# KiCad board panel.kicad_pcb (continued)
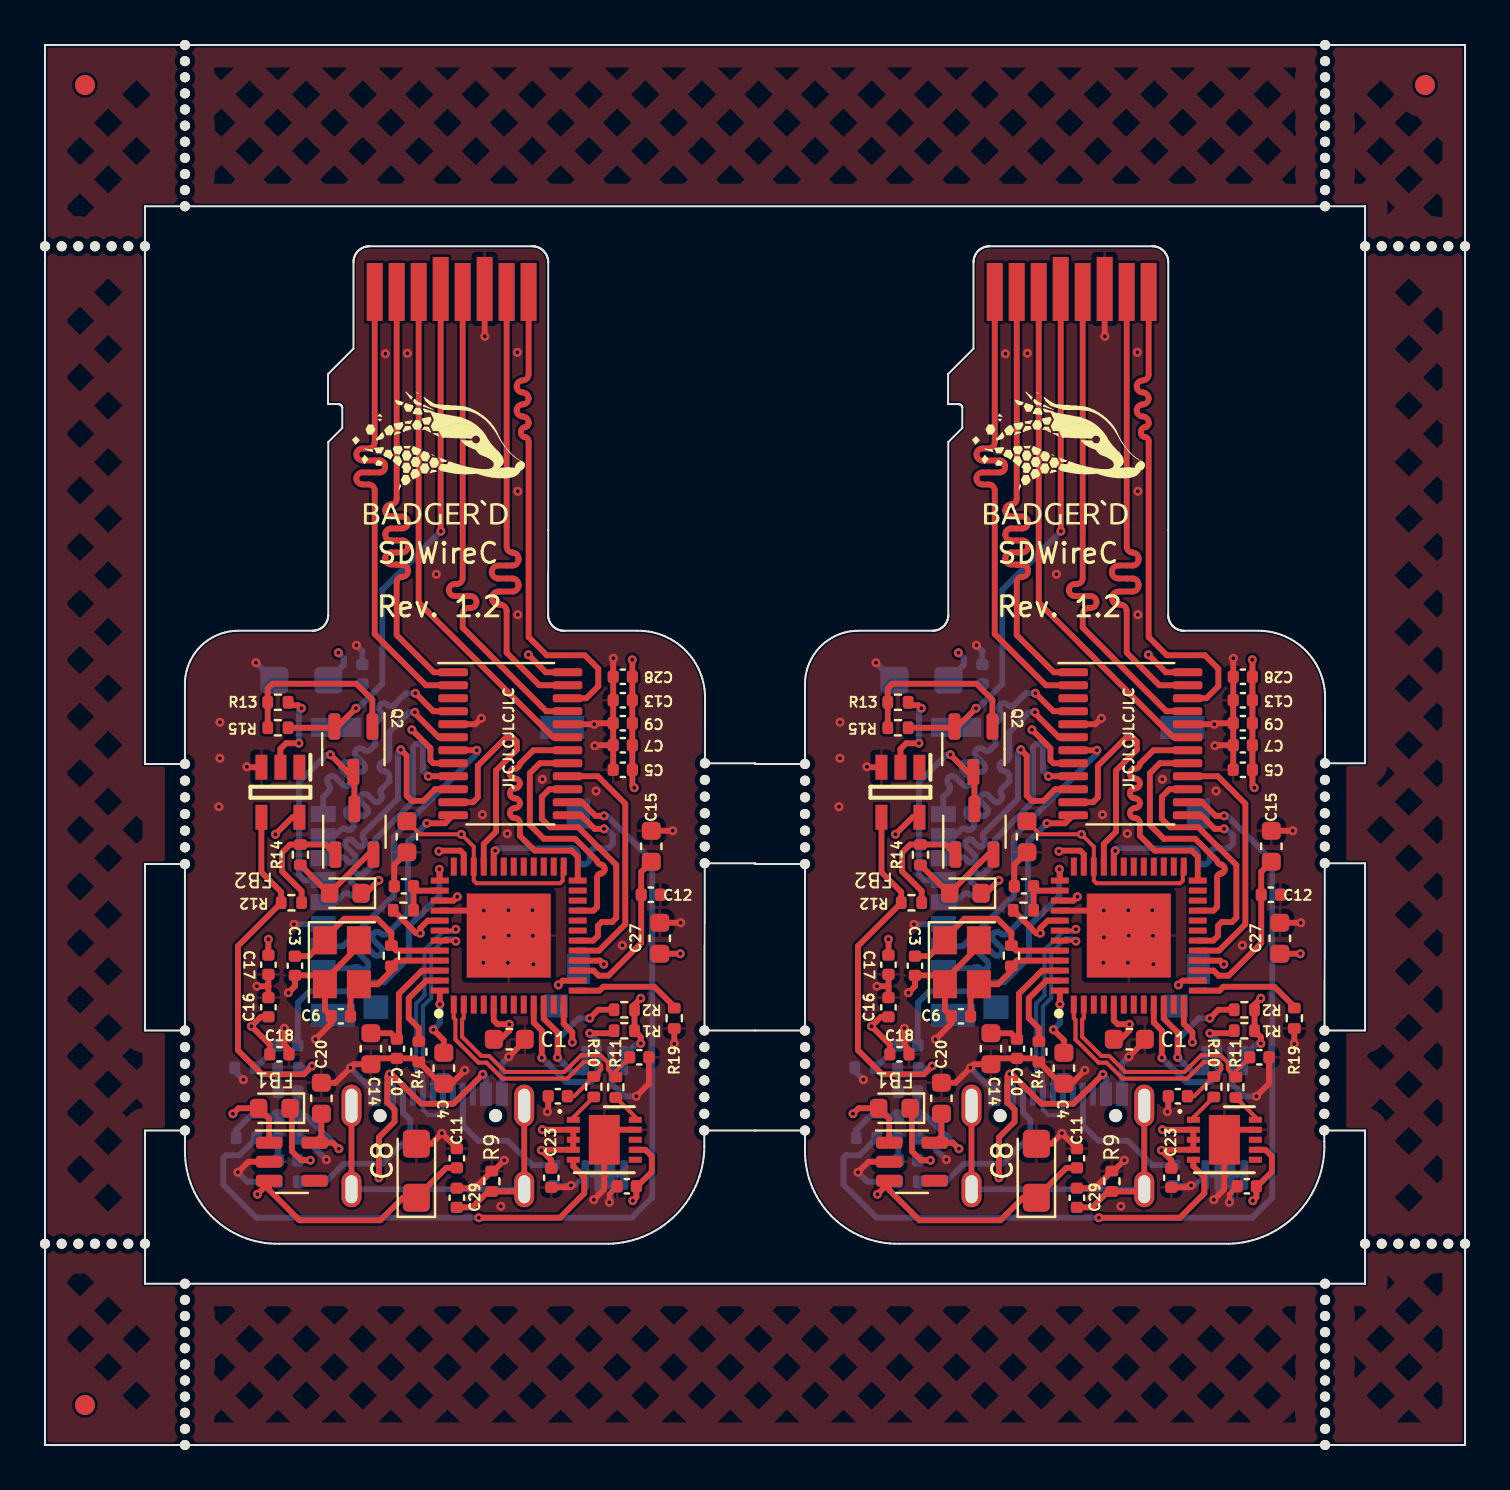
[diagram p0: board, top side]
## Routing (per net, layer and track width the routed paths; a pad name or vN(x,y) marks a point on that pad's centre or on a via; arc(x,y) is an arc through that point) (continued)
Net-(J3-Pad3): length 29.4
  Top w0.293: v1(17.8,34.76) 18.09,34.47 18.09,32.47 18.35,32.21 18.93,32.21 19.51,32.79 U3#2.10 ; v1(48.81,34.76) 49.1,34.47 49.1,32.47 49.36,32.21 49.94,32.21 50.52,32.79 U3.10
  Bottom w0.293: v1(17.8,34.76) 17.65,34.62 17.65,34.6 17.65,34.32 17.65,32.31 15.94,30.6 arc(15.88,30.45) 15.94,30.3 arc(16.01,30.15) 15.94,30 15.93,29.98 arc(15.78,29.92) 15.63,29.98 15.36,30.25 arc(15.25,30.3) 15.13,30.25 15.04,30.16 arc(14.99,30.04) 15.04,29.93 15.48,29.5 arc(15.54,29.34) 15.48,29.18 arc(15.32,29.11) 15.16,29.18 15,29.34 arc(14.84,29.4) 14.68,29.34 J3#2.3 ; v1(48.81,34.76) 48.67,34.62 48.67,34.6 48.66,34.32 48.66,32.31 46.96,30.6 arc(46.9,30.45) 46.96,30.3 arc(47.02,30.15) 46.96,30 46.94,29.98 arc(46.79,29.92) 46.64,29.98 46.37,30.25 arc(46.26,30.3) 46.14,30.25 46.06,30.16 arc(46.01,30.04) 46.06,29.93 46.49,29.5 arc(46.56,29.34) 46.49,29.18 arc(46.33,29.11) 46.17,29.18 46.01,29.34 arc(45.85,29.4) 45.69,29.34 J3.3
Net-(J3-Pad5): length 29.6
  Top w0.293: v1(19.18,33.44) U3#2.9 ; v1(50.19,33.44) U3.9
  Bottom w0.293: J3#2.5 14.53,27.14 14.92,27.52 arc(15.09,27.59) 15.27,27.52 15.27,27.52 arc(15.44,27.44) 15.62,27.52 arc(15.69,27.69) 15.62,27.86 15.26,28.22 arc(15.19,28.4) 15.26,28.57 arc(15.44,28.64) 15.61,28.57 15.61,28.57 arc(15.79,28.5) 15.96,28.57 16.5,29.1 16.5,30.26 18.4,32.16 18.4,34.89 18.58,35.06 18.78,35.06 18.9,34.94 18.9,33.71 v1(19.18,33.44) ; J3.5 45.55,27.14 45.93,27.52 arc(46.1,27.59) 46.28,27.52 46.28,27.52 arc(46.46,27.44) 46.63,27.52 arc(46.7,27.69) 46.63,27.86 46.27,28.22 arc(46.2,28.4) 46.27,28.57 arc(46.45,28.64) 46.62,28.57 46.63,28.57 arc(46.8,28.5) 46.98,28.57 47.51,29.1 47.51,30.26 49.41,32.16 49.41,34.89 49.59,35.06 49.79,35.06 49.91,34.94 49.91,33.71 v1(50.19,33.44)
Net-(J3-Pad7): length 29.5
  Top w0.293: v1(21.6,34.74) U3#2.7 ; v1(52.61,34.74) U3.7
  Bottom w0.293: J3#2.7 14.9,24.94 17.45,27.49 17.45,30.41 21.6,34.56 v1(21.6,34.74) ; J3.7 45.91,24.94 48.46,27.49 48.46,30.41 52.61,34.56 v1(52.61,34.74)
Net-(J3-Pad8): length 29.4
  Top w0.293: U3#2.12 20.01,31.09 v1(19.1,31.09) ; U3.12 51.03,31.09 v1(50.11,31.09)
  Bottom w0.293: v1(19.1,31.09) 18.15,30.14 18.15,26.59 17.14,25.58 arc(16.97,25.51) 16.8,25.58 16.79,25.59 arc(16.62,25.66) 16.44,25.59 arc(16.37,25.41) 16.44,25.24 16.8,24.88 arc(16.87,24.7) 16.8,24.53 arc(16.63,24.46) 16.45,24.53 16.09,24.89 arc(15.92,24.96) 15.74,24.89 arc(15.67,24.71) 15.74,24.54 16.1,24.18 arc(16.17,24.01) 16.1,23.83 arc(15.93,23.76) 15.75,23.83 15.75,23.84 arc(15.57,23.91) 15.4,23.84 J3#2.8 ; v1(50.11,31.09) 49.16,30.14 49.16,26.59 48.16,25.58 arc(47.98,25.51) 47.81,25.58 47.8,25.59 arc(47.63,25.66) 47.46,25.59 arc(47.38,25.41) 47.46,25.24 47.81,24.88 arc(47.89,24.7) 47.81,24.53 arc(47.64,24.46) 47.46,24.53 47.11,24.89 arc(46.93,24.96) 46.76,24.89 arc(46.69,24.71) 46.76,24.54 47.12,24.18 arc(47.19,24.01) 47.12,23.83 arc(46.94,23.76) 46.77,23.83 46.76,23.84 arc(46.59,23.91) 46.41,23.84 J3.8
Net-(Q1-Pad1): length 11.9
  Top w0.293: R12#2.1 12.84,27.7 11.85,28.69 11.85,29.61 12.26,30.02 R14#2.2 14.03,30.02 Q1#2.1 ; R12.1 43.85,27.7 42.86,28.69 42.86,29.61 43.27,30.02 R14.2 45.04,30.02 Q1.1
Net-(Q2-Pad1): length 17.9
  Top w0.293: 16.38,35.92 16.38,37.26 15.58,38.06 11.38,38.06 11.14,37.83 R13#2.1 R15.2 ; 47.39,35.92 47.39,37.26 46.59,38.06 42.39,38.06 42.15,37.83 R13.1 R15#2.2
Net-(R10-Pad2): length 3.1
  Top w0.206: R10.2 26.43,16.38 U4.1 ; R10#2.2 57.44,16.38 U4#2.1
Net-(R11-Pad1): length 3
  Top w0.206: U4.10 29.53,16.4 R11.1 ; U4#2.10 60.54,16.4 R11#2.1

## Copper pours and planes (outline as drawn; the poured copper is in the pictures)
GND on Top, Bottom, In1.Cu, In2.Cu: 64.95,9.22 7.08,9.22 7.08,60.02 64.95,60.02
(no net) on Top: 71.03,70 0,70 0,0 71.03,0 ; 2 cut-outs
(no net) on Bottom: 71.03,70 0,70 0,0 71.03,0 ; 2 cut-outs
(no net) on In1.Cu: 71.03,70 0,70 0,0 71.03,0 ; 2 cut-outs
(no net) on In2.Cu: 71.03,70 0,70 0,0 71.03,0 ; 2 cut-outs

## Text on the board
B.Silkscreen: HOST | PWR | TXD | DEV | ` | SDWireC
F.Silkscreen: JLCJLCJLCJLC | SDWireC | Rev. 1.2 | ` | .
